# KiCad board USB Keypad.kicad_pcb (continued)
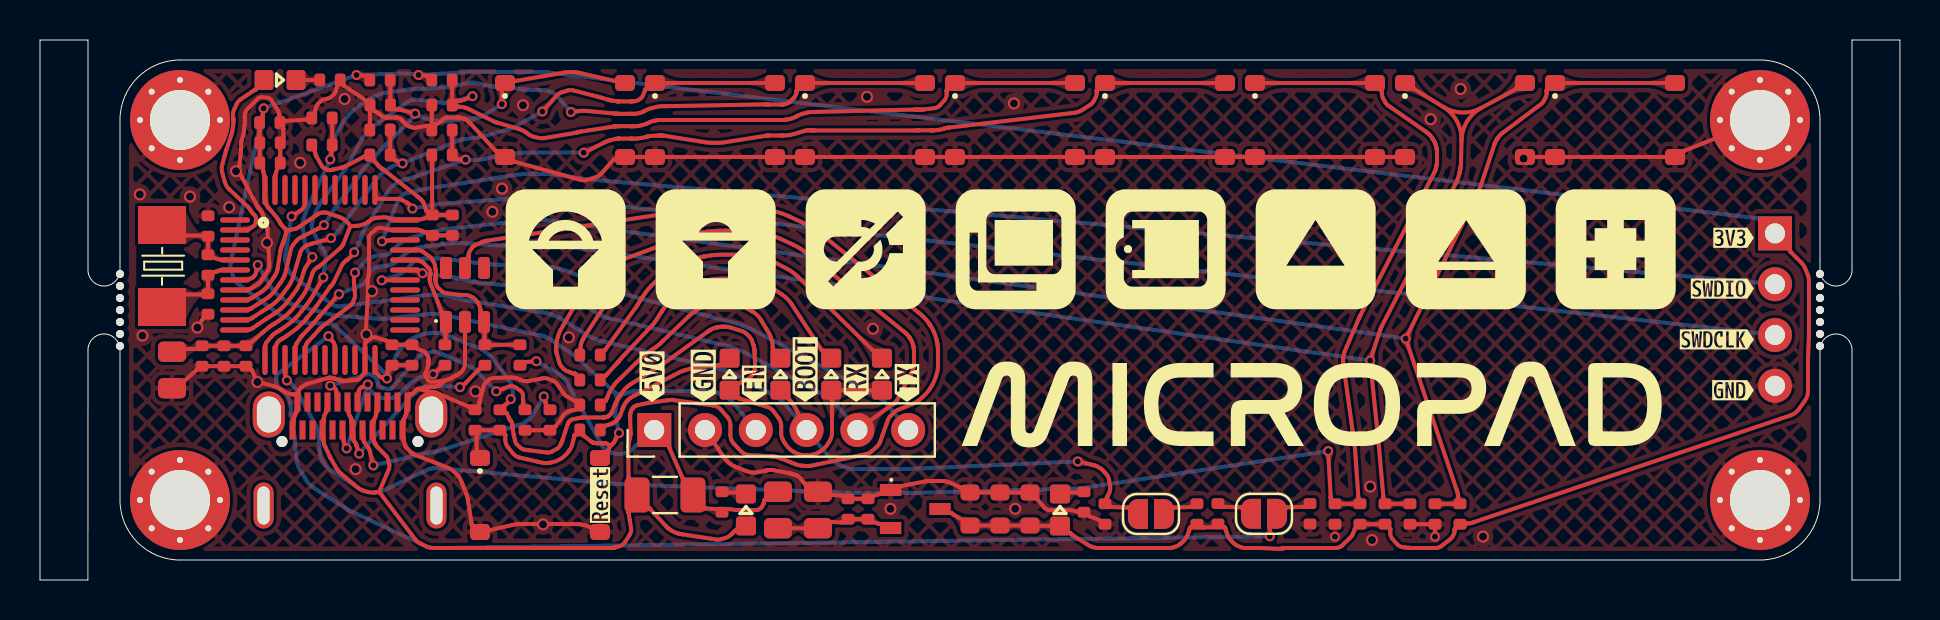
[diagram p0: board, top side]
## Routing (per net, layer and track width the routed paths; a pad name or vN(x,y) marks a point on that pad's centre or on a via; arc(x,y) is an arc through that point) (continued)
  Bottom w0.2: v2(26.54,23.4) 25.99,24.04 25.85,24.2 arc(25.77,24.28) 25.68,24.33 25.48,24.43 arc(25.38,24.47) 25.27,24.48 25.05,24.49 24.2,24.52 arc(24.18,24.53) 24.16,24.53 24.12,24.53 arc(24.1,24.53) 24.09,24.54 24.05,24.54 23.24,24.66 23.2,24.67 arc(23.18,24.67) 23.16,24.67 23.12,24.67 arc(23.1,24.67) 23.08,24.67 arc(23.06,24.67) 23.04,24.67 22.81,24.66 arc(22.77,24.66) 22.72,24.66 22.64,24.67 arc(22.6,24.68) 22.56,24.68 21.74,24.86 arc(21.7,24.87) 21.67,24.87 21.6,24.87 arc(21.56,24.87) 21.53,24.86 21.46,24.85 20.44,24.65 arc(20.42,24.65) 20.4,24.65 20.35,24.64 arc(20.33,24.64) 20.31,24.64 20.27,24.63 18.98,24.55 18.96,24.55 arc(18.94,24.55) 18.93,24.55 18.91,24.55 arc(18.89,24.55) 18.88,24.55 18.82,24.56 arc(18.79,24.56) 18.75,24.56 18.69,24.56 arc(18.65,24.56) 18.62,24.55 17.93,24.46 17.31,24.37 arc(17.01,24.3) 16.73,24.18 16.45,24.04 arc(15.93,23.7) 15.47,23.29 arc(15.09,22.8) 14.8,22.25 14.68,21.97 arc(14.58,21.67) 14.54,21.37 v2(14.51,21.03) 13.44,18.74 13.37,18.59 arc(13.34,18.51) 13.31,18.44 13.25,18.29 arc(13.22,18.21) 13.2,18.13 13.16,17.99 arc(13.15,17.93) 13.14,17.88 13.13,17.77 arc(13.13,17.71) 13.13,17.65 13.15,17.54 13.25,16.81 arc(13.28,16.7) 13.31,16.6 13.41,16.41 arc(13.47,16.32) 13.54,16.23 13.61,16.16 arc(13.61,16.16) 13.62,16.15 v2(13.62,16.15)
/Paste: length 55.7
  Top w0.2: U1.14 11.75,11.51 arc(11.76,11.61) 11.79,11.71 11.85,11.83 arc(11.86,11.86) 11.89,11.89 11.93,11.95 arc(11.96,11.97) 11.99,11.99 12.12,12.07 arc(12.15,12.09) 12.19,12.11 12.25,12.15 arc(12.29,12.17) 12.32,12.2 12.48,12.31 12.69,12.46 arc(12.79,12.54) 12.88,12.62 13.07,12.79 arc(13.15,12.88) 13.24,12.97 13.33,13.09 arc(13.34,13.09) 13.34,13.09 13.67,13.49 arc(13.69,13.52) 13.71,13.54 13.75,13.6 arc(13.77,13.62) 13.79,13.65 14.47,14.61 arc(14.48,14.63) 14.49,14.64 arc(14.5,14.65) 14.51,14.66 14.53,14.68 arc(14.54,14.69) 14.55,14.7 14.58,14.73 arc(14.59,14.75) 14.61,14.77 14.64,14.81 arc(14.66,14.83) 14.67,14.86 14.69,14.91 15.09,15.74 arc(15.12,15.78) 15.14,15.82 15.21,15.89 arc(15.24,15.92) 15.28,15.95 15.38,16.02 arc(15.42,16.06) 15.46,16.1 15.54,16.18 arc(15.58,16.22) 15.62,16.26 v2(15.71,16.39) ; v2(27.18,21.36) 28.24,21.88 28.3,21.91 arc(28.33,21.93) 28.36,21.94 28.42,21.96 arc(28.45,21.97) 28.49,21.98 28.74,22.04 arc(28.75,22.05) 28.76,22.05 arc(28.76,22.05) 28.77,22.05 28.79,22.05 arc(28.8,22.06) 28.8,22.06 28.88,22.07 arc(28.89,22.07) 28.9,22.07 arc(28.9,22.07) 28.91,22.07 28.93,22.07 arc(28.93,22.07) 28.94,22.07 29.54,22.07 arc(29.55,22.07) 29.56,22.07 29.56,22.07 arc(29.57,22.07) 29.57,22.07 arc(29.58,22.07) 29.59,22.07 29.68,22.07 arc(29.78,22.07) 29.87,22.08 30.07,22.1 arc(30.16,22.12) 30.26,22.14 30.38,22.18 arc(30.4,22.18) 30.42,22.19 30.45,22.19 arc(30.47,22.2) 30.49,22.2 30.89,22.22 arc(30.91,22.22) 30.93,22.22 arc(30.95,22.23) 30.97,22.23 31.06,22.23 arc(31.07,22.23) 31.07,22.22 31.09,22.22 arc(31.1,22.22) 31.11,22.22 arc(31.12,22.22) 31.12,22.22 31.17,22.22 arc(31.19,22.21) 31.21,22.21 arc(31.23,22.21) 31.25,22.21 32.94,21.94 33.26,21.89 arc(33.42,21.87) 33.59,21.86 33.91,21.86 arc(34.08,21.87) 34.24,21.89 34.56,21.94 36.25,22.21 arc(36.27,22.21) 36.29,22.21 arc(36.31,22.21) 36.33,22.22 36.38,22.22 arc(36.38,22.22) 36.39,22.22 arc(36.4,22.22) 36.41,22.22 36.43,22.22 arc(36.43,22.23) 36.44,22.23 37.04,22.23 arc(37.05,22.23) 37.06,22.23 37.06,22.23 arc(37.07,22.23) 37.07,22.23 37.16,22.22 arc(37.25,22.22) 37.34,22.23 37.52,22.26 arc(37.61,22.27) 37.69,22.3 38.14,22.43 38.21,22.45 arc(38.24,22.46) 38.28,22.47 38.35,22.48 arc(38.38,22.48) 38.42,22.48 38.52,22.48 arc(38.55,22.48) 38.58,22.48 38.59,22.48 arc(38.6,22.48) 38.61,22.48 arc(38.62,22.48) 38.63,22.48 38.68,22.48 arc(38.74,22.48) 38.79,22.48 43.71,22.48 arc(43.76,22.48) 43.82,22.48 43.87,22.48 arc(43.88,22.48) 43.89,22.48 arc(43.9,22.48) 43.91,22.48 43.92,22.48 arc(43.95,22.48) 43.98,22.48 44.55,22.48 arc(44.56,22.48) 44.56,22.48 44.58,22.48 arc(44.59,22.48) 44.6,22.48 44.71,22.48 arc(44.78,22.49) 44.85,22.5 45,22.52 arc(45.07,22.53) 45.14,22.55 45.26,22.59 arc(45.28,22.59) 45.3,22.6 45.35,22.61 arc(45.38,22.61) 45.4,22.62 45.45,22.62 51.62,23.35 51.74,23.36 arc(51.8,23.37) 51.86,23.39 51.98,23.43 arc(52.04,23.46) 52.09,23.49 52.52,23.77 arc(52.61,23.84) 52.67,23.93 52.78,24.12 arc(52.82,24.23) 52.83,24.34 52.83,24.45 arc(52.83,24.46) 52.83,24.46 52.83,24.46 arc(52.83,24.46) 52.83,24.47 arc(52.83,24.47) 52.83,24.47 52.84,24.48 arc(52.84,24.48) 52.84,24.48 52.84,24.48 arc(52.84,24.49) 52.84,24.49 arc(52.84,24.49) 52.84,24.49 53.1,24.72 arc(53.26,24.82) 53.45,24.85 SW6.2 ; v2(21.28,21.02) 20.88,21.04 arc(20.88,21.04) 20.88,21.04 20.88,21.04 arc(20.88,21.04) 20.88,21.04 arc(20.88,21.04) 20.87,21.04 20.7,21.18 arc(20.63,21.26) 20.61,21.36 C36.1
  Bottom w0.2: v2(27.18,21.36) 25.19,21.37 24.57,21.38 arc(24.25,21.37) 23.94,21.34 23.32,21.27 arc(23.01,21.23) 22.71,21.17 22.42,21.1 arc(22.4,21.09) 22.38,21.09 22.23,21.05 arc(22.1,21.03) 21.97,21.01 21.7,20.99 arc(21.56,20.99) 21.43,21 v2(21.28,21.02) 18.4,20.06 18.38,20.05 arc(18.37,20.05) 18.36,20.04 18.33,20.04 arc(18.32,20.03) 18.31,20.03 18.31,20.03 arc(18.3,20.03) 18.3,20.03 arc(18.3,20.03) 18.29,20.03 18.15,19.99 arc(18.01,19.95) 17.88,19.87 17.63,19.7 arc(17.52,19.6) 17.43,19.48 17.27,19.22 16.22,17.52 16.18,17.46 arc(16.16,17.42) 16.15,17.39 16.12,17.33 arc(16.11,17.29) 16.09,17.26 16.07,17.16 arc(16.05,17.12) 16.04,17.08 16,16.99 arc(15.99,16.95) 15.97,16.91 v2(15.71,16.39)
/Play/Pause: length 90.3
  Top w0.2: v2(12.35,9.98) 12.27,10.23 arc(12.27,10.25) 12.26,10.26 arc(12.26,10.28) 12.26,10.3 12.25,10.33 arc(12.25,10.35) 12.25,10.37 U1.15 ; SW7.1 66.55,24.85 arc(66.73,24.81) 66.88,24.7 67.08,24.47 arc(67.09,24.46) 67.09,24.44 67.09,24.31 arc(67.11,24.19) 67.15,24.09 67.26,23.89 arc(67.32,23.8) 67.41,23.73 67.59,23.6 69.36,22.37 arc(69.4,22.33) 69.44,22.3 69.51,22.23 arc(69.55,22.19) 69.58,22.15 69.68,21.99 arc(69.71,21.95) 69.73,21.9 69.77,21.8 arc(69.79,21.75) 69.8,21.69 69.83,21.54 arc(69.84,21.51) 69.84,21.48 69.85,21.43 arc(69.85,21.4) 69.85,21.38 69.85,20.92 arc(69.85,20.9) 69.85,20.87 69.84,20.82 arc(69.84,20.79) 69.83,20.76 69.81,20.62 arc(69.8,20.58) 69.79,20.55 69.76,20.47 arc(69.75,20.44) 69.73,20.4 69.69,20.33 66.03,13.26 66.01,13.22 arc(66,13.2) 65.99,13.18 65.97,13.14 arc(65.96,13.12) 65.95,13.09 65.93,13.05 65.23,11.42 arc(65.2,11.33) 65.18,11.24 65.16,11.06 arc(65.15,10.97) 65.16,10.88 65.18,10.69 65.74,6.68 arc(65.74,6.63) 65.75,6.59 arc(65.75,6.54) 65.76,6.49 65.9,4.36 arc(65.91,4.27) 65.91,4.18 65.91,4.1 arc(65.91,4.09) 65.91,4.09 65.91,4.03 arc(65.92,3.98) 65.94,3.94 65.96,3.9 arc(65.95,3.84) 65.9,3.81 64.86,3.81 arc(64.76,3.83) 64.68,3.9 64.54,4.07 arc(64.54,4.08) 64.54,4.08 arc(64.54,4.08) 64.54,4.08 64.54,4.08 arc(64.54,4.08) 64.54,4.08 64.54,4.09 arc(64.54,4.09) 64.54,4.1 64.54,4.13 arc(64.54,4.13) 64.54,4.13 64.54,4.14 arc(64.54,4.16) 64.54,4.17 v2(64.41,6.45)
  Bottom w0.2: v2(12.35,9.98) 12.44,9.91 arc(12.51,9.86) 12.58,9.79 12.71,9.65 arc(12.77,9.57) 12.82,9.49 12.91,9.33 13.73,7.83 13.8,7.71 arc(13.83,7.65) 13.85,7.58 13.89,7.45 arc(13.91,7.38) 13.92,7.32 14,6.32 arc(14.03,6.16) 14.09,6.02 14.26,5.75 arc(14.35,5.63) 14.47,5.53 15.79,4.69 16.08,4.5 arc(16.24,4.43) 16.4,4.39 16.75,4.37 arc(16.92,4.38) 17.08,4.43 17.4,4.58 19.23,5.44 19.37,5.51 arc(19.45,5.54) 19.53,5.56 19.69,5.59 arc(19.77,5.6) 19.85,5.6 20.01,5.58 28.66,4.81 arc(28.72,4.81) 28.79,4.8 arc(28.85,4.8) 28.92,4.8 40.69,4.35 arc(40.75,4.35) 40.81,4.35 arc(40.87,4.35) 40.93,4.35 43.37,4.35 arc(43.41,4.35) 43.45,4.35 arc(43.5,4.35) 43.54,4.35 51.9,4.58 51.95,4.58 arc(51.97,4.58) 51.99,4.58 52.03,4.59 arc(52.05,4.59) 52.07,4.59 52.11,4.6 v2(64.41,6.45)
/Print_Screen: length 90.1
  Top w0.2: v2(15.75,15.37) 15.73,15.29 arc(15.71,15.23) 15.7,15.17 15.69,15.05 arc(15.69,14.99) 15.69,14.92 15.73,14.47 15.75,14.26 arc(15.75,14.16) 15.72,14.06 15.63,13.87 arc(15.58,13.79) 15.51,13.72 15.34,13.59 14.07,12.64 arc(14.05,12.63) 14.04,12.61 14.02,12.59 arc(14,12.58) 13.99,12.57 13.97,12.54 arc(13.97,12.53) 13.96,12.53 13.87,12.43 arc(13.78,12.33) 13.69,12.22 13.4,11.91 arc(13.39,11.9) 13.38,11.88 13.36,11.85 arc(13.35,11.83) 13.34,11.82 13.29,11.71 arc(13.26,11.61) 13.25,11.52 U1.17 ; SW9.2 75.95,24.85 arc(75.76,24.82) 75.6,24.72 75.34,24.49 arc(75.34,24.49) 75.34,24.49 arc(75.34,24.49) 75.34,24.48 75.34,24.48 arc(75.34,24.48) 75.34,24.48 75.33,24.47 arc(75.33,24.47) 75.33,24.47 arc(75.33,24.46) 75.33,24.46 75.33,24.46 arc(75.33,24.46) 75.33,24.45 75.33,24.34 arc(75.32,24.24) 75.29,24.15 75.19,23.96 arc(75.14,23.87) 75.06,23.8 74.9,23.68 73.11,22.34 arc(73.08,22.32) 73.04,22.28 72.98,22.22 arc(72.95,22.18) 72.92,22.14 72.87,22.07 arc(72.87,22.07) 72.87,22.07 arc(72.87,22.07) 72.87,22.07 72.83,22.01 arc(72.81,21.97) 72.79,21.94 72.76,21.88 arc(72.74,21.84) 72.73,21.81 72.71,21.74 72.08,19.83 72.04,19.71 arc(72.02,19.66) 72,19.6 71.95,19.49 arc(71.93,19.43) 71.9,19.38 v2(68.28,12.07) 70.84,4.47 70.87,4.38 arc(70.88,4.34) 70.89,4.3 70.91,4.21 arc(70.91,4.17) 70.92,4.12 70.92,4.03 arc(70.92,3.98) 70.94,3.94 70.96,3.9 arc(70.95,3.84) 70.9,3.81 C39.1
  Bottom w0.2: v2(68.28,12.07) 66.72,12.3 arc(66.71,12.3) 66.7,12.31 arc(66.69,12.31) 66.68,12.31 26.76,17.78 arc(26.69,17.78) 26.63,17.79 arc(26.57,17.8) 26.5,17.81 25.76,17.94 arc(25.49,17.98) 25.23,17.99 24.69,18.01 arc(24.42,18) 24.15,17.97 23.88,17.94 arc(23.87,17.94) 23.87,17.94 23.81,17.93 arc(23.74,17.92) 23.68,17.91 20.67,17.58 20.26,17.54 arc(20.06,17.51) 19.86,17.47 19.46,17.38 arc(19.27,17.33) 19.07,17.28 18.44,17.07 arc(18.34,17.03) 18.25,16.98 18.06,16.87 arc(17.97,16.81) 17.89,16.74 17.54,16.39 arc(17.49,16.34) 17.43,16.31 17.3,16.26 arc(17.23,16.24) 17.17,16.23 16.95,16.23 arc(16.82,16.22) 16.7,16.18 16.45,16.07 arc(16.34,16.01) 16.24,15.92 v2(15.75,15.37)
/Reset: length 43.9
  Top w0.2: SW1.1 21.86,6.36 arc(21.84,6.4) 21.84,6.45 21.84,7.27 arc(21.83,7.32) 21.81,7.36 21.79,7.4 arc(21.8,7.46) 21.85,7.49 22.89,7.49 arc(22.99,7.47) 23.08,7.41 23.26,7.25 arc(23.26,7.24) 23.26,7.24 arc(23.26,7.24) 23.26,7.24 arc(23.26,7.24) 23.26,7.24 23.26,7.23 arc(23.26,7.23) 23.26,7.23 23.26,7.01 arc(23.3,6.82) 23.39,6.65 23.65,6.33 arc(23.79,6.2) 23.98,6.12 25.14,5.86 arc(25.27,5.84) 25.4,5.85 25.53,5.87 arc(25.79,5.94) 26.02,6.05 arc(26.23,6.21) 26.41,6.4 26.49,6.5 arc(26.55,6.62) 26.6,6.74 26.67,6.99 26.73,7.21 arc(26.73,7.21) 26.73,7.21 arc(26.73,7.22) 26.73,7.22 26.73,7.22 arc(26.73,7.22) 26.73,7.23 26.73,7.23 arc(26.73,7.23) 26.74,7.23 26.74,7.23 arc(26.74,7.23) 26.74,7.23 arc(26.74,7.23) 26.74,7.24 26.74,7.24 arc(26.74,7.24) 26.74,7.24 arc(26.74,7.24) 26.74,7.24 arc(26.74,7.24) 26.75,7.24 26.87,7.37 arc(26.98,7.42) 27.09,7.35 27.2,7.21 arc(27.2,7.2) 27.2,7.2 arc(27.2,7.2) 27.2,7.2 27.2,7.2 arc(27.2,7.2) 27.21,7.2 27.57,6.92 arc(27.58,6.91) 27.59,6.9 27.62,6.89 arc(27.63,6.88) 27.65,6.88 27.7,6.86 arc(27.71,6.86) 27.72,6.85 27.75,6.85 arc(27.76,6.85) 27.77,6.84 27.86,6.84 arc(27.86,6.84) 27.86,6.84 arc(27.87,6.84) 27.87,6.84 27.87,6.84 arc(27.88,6.84) 27.88,6.84 arc(27.88,6.84) 27.89,6.84 27.91,6.84 arc(27.92,6.84) 27.93,6.84 arc(27.93,6.84) 27.94,6.84 27.96,6.84 arc(27.97,6.84) 27.97,6.84 arc(27.98,6.84) 27.98,6.84 28.04,6.84 arc(28.04,6.84) 28.05,6.84 arc(28.05,6.84) 28.06,6.84 28.08,6.84 arc(28.09,6.84) 28.09,6.84 arc(28.1,6.84) 28.11,6.84 28.14,6.84 arc(28.15,6.84) 28.15,6.84 28.16,6.84 arc(28.16,6.84) 28.17,6.84 arc(28.17,6.84) 28.17,6.84 arc(28.18,6.84) 28.18,6.84 28.2,6.84 arc(28.23,6.84) 28.26,6.84 28.32,6.82 arc(28.34,6.81) 28.37,6.8 28.46,6.74 arc(28.46,6.74) 28.47,6.73 arc(28.47,6.73) 28.48,6.73 28.48,6.72 arc(28.49,6.71) 28.49,6.71 28.5,6.71 arc(28.5,6.71) 28.5,6.7 ; SW1.2 28.41,6.46 arc(28.41,6.46) 28.41,6.46 arc(28.41,6.47) 28.41,6.47 28.41,6.47 arc(28.41,6.47) 28.41,6.47 28.5,6.7 ; 28.5,6.7 arc(28.5,6.7) 28.5,6.7 ; 28.5,6.7 arc(28.5,6.7) 28.5,6.7 ; v2(10.89,15.75) 10.8,15.35 arc(10.78,15.3) 10.75,15.25 10.68,15.17 arc(10.65,15.13) 10.6,15.11 10.46,15.04 arc(10.36,15.01) 10.26,15 U1.7 ; 28.5,6.7 28.51,6.7 arc(28.51,6.71) 28.51,6.71 28.53,6.72 arc(28.55,6.73) 28.58,6.75 28.62,6.78 arc(28.64,6.8) 28.65,6.82 28.66,6.83 arc(28.67,6.84) 28.68,6.85 28.7,6.88 arc(28.71,6.9) 28.73,6.92 28.75,6.96 arc(28.76,6.98) 28.77,7.01 28.77,7.02 arc(28.78,7.03) 28.78,7.03 arc(28.78,7.04) 28.78,7.04 28.79,7.08 arc(28.81,7.12) 28.83,7.16 28.87,7.23 arc(28.89,7.27) 28.92,7.3 v2(28.95,7.35) ; 28.5,6.7 arc(28.5,6.7) 28.5,6.7
  Bottom w0.2: J1.3 34.61,8.92 arc(34.45,9.06) 34.27,9.17 33.88,9.36 arc(33.68,9.43) 33.47,9.45 33.03,9.45 29.82,9.45 arc(29.78,9.45) 29.73,9.44 29.65,9.43 arc(29.61,9.42) 29.57,9.41 29.22,9.3 ; 29.22,9.3 arc(28.98,9.15) 28.85,8.9 ; 29.22,9.3 arc(28.94,9.29) 28.69,9.42 ; 28.85,8.9 28.77,8.53 arc(28.76,8.47) 28.76,8.41 28.76,8.29 arc(28.76,8.24) 28.77,8.18 28.8,8.06 v2(28.95,7.35) ; 28.85,8.9 arc(28.84,9.18) 28.69,9.42 ; 28.69,9.42 26.88,11.08 arc(26.85,11.11) 26.81,11.14 26.74,11.2 arc(26.7,11.23) 26.67,11.26 26.59,11.31 25.61,11.98 25.5,12.05 arc(25.45,12.08) 25.39,12.11 25.27,12.16 arc(25.21,12.18) 25.15,12.2 25.03,12.23 21.05,13.06 arc(20.84,13.11) 20.64,13.15 20.45,13.2 arc(20.43,13.2) 20.41,13.21 20.26,13.25 arc(20.13,13.27) 19.99,13.29 19.73,13.31 arc(19.6,13.31) 19.46,13.3 19.2,13.27 17.33,13.07 17.25,13.06 arc(17.2,13.06) 17.16,13.06 17.07,13.06 arc(17.03,13.06) 16.99,13.06 16.9,13.06 14.89,13.21 14.85,13.21 arc(14.82,13.22) 14.8,13.22 14.75,13.23 arc(14.73,13.23) 14.7,13.24 14.65,13.25 13.23,13.62 12.74,13.74 arc(12.5,13.83) 12.29,13.96 11.89,14.26 arc(11.7,14.43) 11.56,14.63 11.3,15.06 v2(10.89,15.75)
/SWDCLK: length 70.9
  Top w0.2: v2(18.62,18.57) 18.54,18.69 arc(18.46,18.79) 18.35,18.87 18.11,18.99 arc(17.99,19.04) 17.86,19.06 16.97,19.06 arc(16.81,19.12) 16.75,19.28 U1.37
  Bottom w0.2: v2(18.62,18.57) 19.44,18.72 arc(19.57,18.75) 19.7,18.76 19.96,18.8 arc(20.09,18.81) 20.22,18.82 20.48,18.84 23.28,19.04 arc(23.43,19.05) 23.57,19.06 23.72,19.08 arc(23.72,19.08) 23.73,19.08 24.04,19.12 arc(24.34,19.15) 24.65,19.16 25.27,19.15 arc(25.58,19.13) 25.88,19.09 26.71,18.95 arc(26.77,18.94) 26.84,18.93 arc(26.91,18.92) 26.98,18.91 J3.3
/SWDIO: length 72.7
  Top w0.2: U1.34 17.62,17 arc(17.6,17) 17.58,17 17.55,17 arc(17.53,16.99) 17.51,16.99 v2(17.1,16.93)
  Bottom w0.2: v2(17.1,16.93) 17.82,18.77 17.89,18.97 arc(17.94,19.05) 18.01,19.13 18.16,19.26 arc(18.25,19.32) 18.34,19.35 18.44,19.37 arc(18.44,19.37) 18.45,19.37 arc(18.45,19.37) 18.45,19.38 18.48,19.38 arc(18.49,19.39) 18.5,19.39 18.63,19.42 arc(18.75,19.45) 18.86,19.47 19.1,19.52 arc(19.21,19.54) 19.33,19.56 19.57,19.6 23.01,20.14 23.75,20.25 arc(24.12,20.29) 24.49,20.31 25.24,20.3 arc(25.61,20.29) 25.98,20.24 26.98,20.07 arc(27,20.07) 27.01,20.07 27.03,20.07 arc(27.04,20.07) 27.06,20.07 27.08,20.06 J3.2
/Vol+: length 28.3
  Top w0.2: U1.10 10.27,13.5 arc(10.36,13.51) 10.46,13.54 10.56,13.58 arc(10.56,13.59) 10.57,13.59 10.59,13.6 arc(10.6,13.6) 10.61,13.61 10.84,13.76 arc(10.86,13.77) 10.88,13.78 arc(10.9,13.8) 10.92,13.81 11.03,13.88 arc(11.05,13.89) 11.07,13.9 arc(11.09,13.92) 11.11,13.93 11.38,14.11 arc(11.45,14.16) 11.51,14.21 11.62,14.32 arc(11.67,14.38) 11.72,14.44 12.02,14.86 12.1,14.98 arc(12.14,15.03) 12.17,15.1 12.23,15.23 arc(12.25,15.29) 12.27,15.36 12.49,16.28 12.54,16.53 arc(12.58,16.64) 12.65,16.75 12.8,16.95 arc(12.89,17.04) 12.99,17.1 13.22,17.22 13.94,17.58 arc(13.95,17.59) 13.97,17.6 14.01,17.62 arc(14.03,17.63) 14.04,17.64 v2(14.2,17.75) ; v2(23.09,23.8) 23.09,24.5 arc(23.1,24.55) 23.12,24.59 23.17,24.7 arc(23.27,24.82) 23.41,24.89 23.6,24.94 arc(23.65,24.95) 23.7,24.95 23.75,24.95 arc(23.75,24.95) 23.76,24.95 23.76,24.95 arc(23.76,24.95) 23.77,24.95 arc(23.77,24.95) 23.77,24.95 26.11,25.35 26.3,25.39 arc(26.4,25.4) 26.5,25.4 26.7,25.4 arc(26.8,25.39) 26.89,25.37 27.09,25.33 28.72,24.95 arc(28.73,24.95) 28.73,24.95 arc(28.73,24.95) 28.74,24.95 28.74,24.95 arc(28.74,24.95) 28.75,24.95 28.8,24.95 arc(28.85,24.95) 28.9,24.94 SW2.2 ; v2(18.76,23.32) 18.07,23.51 arc(18.03,23.52) 17.99,23.52 17.91,23.53 arc(17.87,23.54) 17.83,23.54 17.79,23.54 arc(17.79,23.54) 17.79,23.54 arc(17.79,23.54) 17.78,23.54 17.61,23.68 arc(17.54,23.76) 17.52,23.86 17.52,23.92 arc(17.52,23.97) 17.52,24.02 17.52,24.73 arc(17.51,24.78) 17.51,24.83 R26.2
  Bottom w0.2: v2(23.09,23.8) 22.28,23.28 22.16,23.21 arc(22.1,23.18) 22.03,23.15 21.9,23.11 arc(21.83,23.09) 21.76,23.08 21.7,23.08 arc(21.69,23.08) 21.68,23.08 arc(21.67,23.08) 21.66,23.08 21.62,23.07 arc(21.57,23.07) 21.52,23.07 21.18,23.06 arc(21.14,23.06) 21.09,23.06 20.99,23.05 arc(20.95,23.04) 20.9,23.03 20.57,22.96 arc(20.31,22.93) 20.04,22.94 19.51,23.02 arc(19.25,23.08) 19.01,23.18 18.78,23.3 arc(18.77,23.31) 18.77,23.31 v2(18.76,23.32) 18.7,23.23 arc(18.65,23.15) 18.59,23.08 18.47,22.94 arc(18.41,22.87) 18.35,22.8 17.27,21.75 arc(17.25,21.73) 17.22,21.7 arc(17.2,21.68) 17.17,21.65 16.24,20.63 arc(16.19,20.57) 16.15,20.51 16.05,20.38 arc(16.01,20.32) 15.97,20.25 15.93,20.19 arc(15.93,20.19) 15.93,20.19 arc(15.92,20.18) 15.92,20.18 15.91,20.17 arc(15.9,20.15) 15.89,20.13 15.87,20.1 arc(15.86,20.08) 15.85,20.06 15.82,20.03 14.85,18.73 arc(14.79,18.65) 14.74,18.58 arc(14.68,18.5) 14.63,18.42 v2(14.2,17.75)
/Vol-: length 34.2
  Top w0.2: v2(14.55,17.09) 14.53,17.08 arc(14.51,17.07) 14.49,17.06 14.45,17.05 arc(14.43,17.04) 14.41,17.03 13.75,16.86 arc(13.71,16.85) 13.67,16.84 arc(13.63,16.83) 13.59,16.81 13.35,16.74 arc(13.28,16.7) 13.22,16.66 13.1,16.54 arc(13.06,16.48) 13.03,16.41 12.66,15.15 arc(12.63,15.07) 12.6,15 12.53,14.85 arc(12.49,14.78) 12.44,14.71 12.34,14.58 12.04,14.16 arc(11.98,14.09) 11.91,14.02 11.78,13.89 arc(11.71,13.83) 11.64,13.78 11.36,13.59 arc(11.33,13.57) 11.3,13.55 arc(11.27,13.53) 11.24,13.51 11.15,13.46 arc(11.13,13.44) 11.1,13.43 arc(11.08,13.41) 11.05,13.39 10.76,13.21 arc(10.73,13.18) 10.69,13.16 10.66,13.13 arc(10.65,13.13) 10.65,13.13 arc(10.64,13.12) 10.63,13.12 10.63,13.11 arc(10.61,13.1) 10.6,13.1 10.57,13.08 arc(10.56,13.07) 10.54,13.07 10.45,13.03 arc(10.36,13.01) 10.28,13 U1.11 ; C31.1 17.51,21.36 arc(17.53,21.26) 17.59,21.17 17.75,20.99 arc(17.76,20.99) 17.76,20.99 arc(17.76,20.99) 17.76,20.99 arc(17.76,20.99) 17.76,20.99 v2(18.13,20.83) ; v2(25.12,23.42) 25.85,24.23 arc(25.96,24.33) 26.09,24.39 26.38,24.47 arc(26.52,24.5) 26.67,24.48 26.96,24.4 27.85,24.17 arc(27.9,24.16) 27.95,24.15 arc(27.99,24.14) 28.04,24.12 28.43,24.01 arc(28.44,24.01) 28.45,24 28.47,24 arc(28.49,24) 28.5,23.99 arc(28.51,23.99) 28.52,23.99 28.52,23.99 arc(28.54,23.99) 28.55,23.98 28.56,23.98 arc(28.59,23.98) 28.61,23.97 28.83,23.94 arc(28.83,23.94) 28.84,23.94 arc(28.85,23.94) 28.86,23.94 28.89,23.93 arc(28.9,23.93) 28.91,23.93 28.93,23.93 arc(28.93,23.93) 28.94,23.93 29.55,23.93 arc(29.56,23.93) 29.56,23.93 29.57,23.93 arc(29.58,23.93) 29.58,23.93 29.78,23.94 arc(29.85,23.96) 29.92,24 30.04,24.09 arc(30.1,24.14) 30.13,24.2 30.27,24.52 arc(30.27,24.52) 30.27,24.52 arc(30.27,24.52) 30.27,24.52 30.27,24.52 arc(30.27,24.52) 30.27,24.52 30.27,24.53 arc(30.27,24.53) 30.27,24.53 arc(30.27,24.53) 30.27,24.53 30.28,24.53 arc(30.28,24.53) 30.28,24.53 30.28,24.54 arc(30.28,24.54) 30.28,24.54 30.28,24.54 arc(30.29,24.54) 30.29,24.54 30.58,24.74 arc(30.76,24.82) 30.95,24.85 SW3.2
  Bottom w0.2: v2(14.55,17.09) 14.59,17.12 arc(14.63,17.14) 14.66,17.16 14.72,17.21 arc(14.74,17.24) 14.77,17.27 14.82,17.33 16.64,19.78 16.89,20.12 arc(17.03,20.27) 17.19,20.4 17.54,20.63 arc(17.72,20.72) 17.91,20.78 18.11,20.83 arc(18.12,20.83) 18.12,20.83 v2(18.13,20.83) 20.86,21.95 20.92,21.97 arc(20.95,21.98) 20.98,21.99 21.05,22.01 arc(21.08,22.02) 21.11,22.02 21.87,22.13 21.94,22.14 arc(21.98,22.14) 22.01,22.15 22.08,22.16 arc(22.12,22.17) 22.15,22.18 22.22,22.2 23.41,22.53 23.48,22.55 arc(23.52,22.56) 23.55,22.58 23.62,22.6 arc(23.65,22.62) 23.69,22.64 v2(25.12,23.42)
Net-(J2-D+-PadA6): length 10.9
  Top w0.2: R3.1 21.96,10.53 arc(21.95,10.53) 21.95,10.53 arc(21.95,10.53) 21.95,10.53 21.92,10.51 arc(21.9,10.49) 21.89,10.48 21.85,10.44 arc(21.84,10.43) 21.82,10.41 21.32,9.89 21.26,9.82 arc(21.23,9.79) 21.2,9.77 21.12,9.71 arc(21.09,9.69) 21.05,9.67 v2(21,9.64) ; J2.A6 15.42,8.58 arc(15.42,8.53) 15.43,8.48 15.43,8.4 arc(15.43,8.37) 15.43,8.35 15.44,8.3 arc(15.45,8.28) 15.46,8.25 15.55,8.11 arc(15.55,8.09) 15.56,8.07 15.57,8.03 arc(15.57,8.01) 15.57,8 15.57,7.93 arc(15.58,7.88) 15.58,7.83 15.67,7.18 arc(15.67,7.13) 15.68,7.08 15.68,7.02 arc(15.68,7.01) 15.68,7 15.68,6.99 arc(15.68,6.98) 15.69,6.98 arc(15.69,6.97) 15.7,6.96 15.77,6.85 arc(15.78,6.83) 15.79,6.82 15.81,6.78 arc(15.82,6.76) 15.82,6.74 15.83,6.72 arc(15.83,6.72) 15.83,6.71 15.84,6.69 arc(15.85,6.66) 15.86,6.63 v2(15.96,6.32)
  Bottom w0.2: v2(15.96,6.32) 15.96,6.32 arc(15.96,6.32) 15.96,6.32 15.97,6.33 arc(15.99,6.35) 16,6.36 18.66,9.28 18.83,9.46 arc(18.92,9.55) 19.03,9.6 19.26,9.7 arc(19.38,9.73) 19.51,9.74 19.76,9.72 v2(21,9.64)
Net-(J2-D--PadA7): length 10.2
  Top w0.2: v2(19.65,10.29) 19.95,10.53 arc(19.95,10.53) 19.95,10.53 arc(19.95,10.53) 19.96,10.53 R2.1 ; J2.B7 15.17,7.18 arc(15.17,7.13) 15.17,7.08 15.17,6.99 arc(15.18,6.96) 15.18,6.93 15.2,6.87 arc(15.2,6.83) 15.22,6.8 15.27,6.68 arc(15.28,6.67) 15.29,6.66 15.3,6.63 arc(15.31,6.62) 15.32,6.6 15.32,6.6 arc(15.33,6.59) 15.33,6.59 v2(15.33,6.58) ; v2(16.39,9.78) 16.07,9.63 arc(16.04,9.61) 16.02,9.59 15.98,9.54 arc(15.96,9.51) 15.95,9.48 15.93,9.4 arc(15.93,9.4) 15.93,9.4 arc(15.93,9.4) 15.93,9.39 15.93,9.39 arc(15.93,9.38) 15.92,9.38 15.92,9.33 arc(15.92,9.28) 15.92,9.23 J2.A7
  Bottom w0.2: v2(19.65,10.29) 19.08,10.15 arc(18.97,10.12) 18.87,10.07 18.67,9.96 arc(18.57,9.89) 18.49,9.82 17.98,9.29 arc(17.88,9.2) 17.76,9.15 17.63,9.11 arc(17.38,9.07) 17.12,9.1 17.12,9.1 arc(16.88,9.19) 16.67,9.34 16.57,9.43 arc(16.49,9.52) 16.44,9.64 16.4,9.76 arc(16.39,9.77) 16.39,9.77 v2(16.39,9.78) v2(15.33,6.58)
Net-(JP1-B): length 1.8
  Top w0.2: JP1.2 60.06,3.63 arc(60.06,3.63) 60.06,3.63 60.06,3.63 arc(60.05,3.63) 60.05,3.63 59.22,3.66 arc(59.22,3.66) 59.22,3.66 59.22,3.66 arc(59.22,3.66) 59.22,3.66 arc(59.22,3.66) 59.21,3.66 R11.2
Net-(JP2-B): length 1.8
  Top w0.2: JP2.2 56.69,3.62 arc(56.69,3.62) 56.69,3.62 56.69,3.62 arc(56.7,3.62) 56.7,3.62 57.53,3.65 arc(57.53,3.65) 57.53,3.65 arc(57.53,3.65) 57.53,3.65 arc(57.53,3.65) 57.54,3.65 R10.2
Net-(LDO1-Vin): length 5.8
  Top w0.2: LDO1.2 42.14,2.78 arc(42.09,2.79) 42.04,2.8 41.99,2.8 arc(41.99,2.8) 41.98,2.8 41.98,2.8 arc(41.97,2.8) 41.97,2.8 41.84,2.84 arc(41.72,2.88) 41.6,2.94 41.5,2.99 arc(41.4,3.03) 41.29,3.04 40.51,3.04 arc(40.4,3.03) 40.3,2.99 40.09,2.88 arc(40.08,2.88) 40.08,2.88 arc(40.08,2.88) 40.08,2.88 40.08,2.88 arc(40.08,2.88) 40.08,2.88 39.61,2.9 arc(39.6,2.9) 39.6,2.9 39.59,2.9 arc(39.59,2.9) 39.59,2.9 arc(39.59,2.9) 39.59,2.9 39.17,2.71 arc(38.89,2.62) 38.6,2.59 FB1.2
Net-(LED1-K): length 1.2
  Top w0.2: R18.2 34.27,4.38 arc(34.32,4.38) 34.37,4.38 34.85,4.38 arc(34.9,4.37) 34.95,4.37 LED1.1
Net-(LED2-K): length 1.2
  Top w0.2: LED2.1 51.35,4.37 arc(51.4,4.37) 51.45,4.38 51.93,4.38 arc(51.98,4.38) 52.03,4.38 R22.1
Net-(LED3-A): length 9.7
  Top w0.2: LED3.2 10.79,24.53 arc(10.79,24.53) 10.79,24.53 10.79,24.52 arc(10.79,24.52) 10.79,24.52 10.79,24.52 arc(10.79,24.52) 10.78,24.52 10.78,24.52 arc(10.78,24.52) 10.78,24.52 10.78,24.51 arc(10.77,24.51) 10.77,24.51 10.74,24.5 arc(10.72,24.49) 10.7,24.48 10.67,24.46 arc(10.65,24.45) 10.63,24.44 10.29,24.21 10.03,24.03 arc(9.92,23.93) 9.84,23.81 9.7,23.52 arc(9.66,23.38) 9.65,23.23 9.67,23.08 arc(9.67,23.07) 9.67,23.07 arc(9.67,23.06) 9.67,23.06 9.67,23.05 arc(9.67,23.05) 9.67,23.04 9.67,23.02 arc(9.67,23.02) 9.67,23.01 9.67,22.89 arc(9.67,22.79) 9.65,22.68 9.62,22.47 arc(9.6,22.36) 9.57,22.26 9.33,21.54 arc(9.32,21.5) 9.3,21.47 arc(9.29,21.43) 9.28,21.39 9.11,20.79 arc(9.09,20.57) 9.12,20.35 9.24,19.91 arc(9.33,19.7) 9.47,19.53 9.8,19.21 10.4,18.66 arc(10.42,18.63) 10.44,18.61 10.48,18.56 arc(10.5,18.53) 10.52,18.5 10.53,18.48 arc(10.54,18.47) 10.54,18.47 arc(10.54,18.47) 10.55,18.46 10.55,18.45 arc(10.57,18.43) 10.58,18.41 10.61,18.37 arc(10.62,18.35) 10.64,18.33 10.75,18.22 arc(10.79,18.14) 10.8,18.04 10.78,17.84 arc(10.74,17.75) 10.67,17.69 10.48,17.57 arc(10.36,17.52) 10.24,17.5 U1.2
Net-(LED3-C): length 1.2
  Top w0.2: LED3.1 R7.2
Net-(LED4-C): length 18.2
  Top w0.2: LED4.1 41.63,11.5 arc(41.63,11.5) 41.63,11.5 41.62,11.5 arc(41.62,11.5) 41.62,11.5 38.4,14.67 37.91,15.15 arc(37.65,15.37) 37.36,15.55 36.75,15.88 arc(36.44,16.01) 36.11,16.1 35.63,16.2 arc(35.52,16.22) 35.4,16.23 35.17,16.25 arc(35.06,16.26) 34.94,16.27 34.02,16.27 arc(33.9,16.26) 33.79,16.25 33.56,16.23 arc(33.44,16.22) 33.33,16.2 33.2,16.17 arc(33.19,16.17) 33.18,16.17 32.92,16.12 arc(32.7,16.06) 32.48,15.98 32.06,15.81 arc(31.86,15.71) 31.66,15.59 31.45,15.45 arc(31.44,15.45) 31.44,15.45 arc(31.44,15.45) 31.43,15.44 31.22,15.3 arc(31.03,15.16) 30.86,15.01 30.54,14.68 arc(30.38,14.51) 30.24,14.32 30.1,14.11 arc(30.1,14.11) 30.1,14.1 arc(30.09,14.1) 30.09,14.1 30.09,14.09 arc(30.08,14.08) 30.07,14.06 30.04,14.02 arc(30.01,13.97) 29.98,13.92 29.87,13.74 arc(29.84,13.7) 29.82,13.67 arc(29.79,13.63) 29.77,13.59 28.26,11.52 arc(28.26,11.52) 28.26,11.51 28.26,11.51 arc(28.26,11.51) 28.26,11.51 arc(28.26,11.51) 28.25,11.51 R17.1
